# Altium PCB PCB1.PcbDoc (part 4 of 5) (continued)
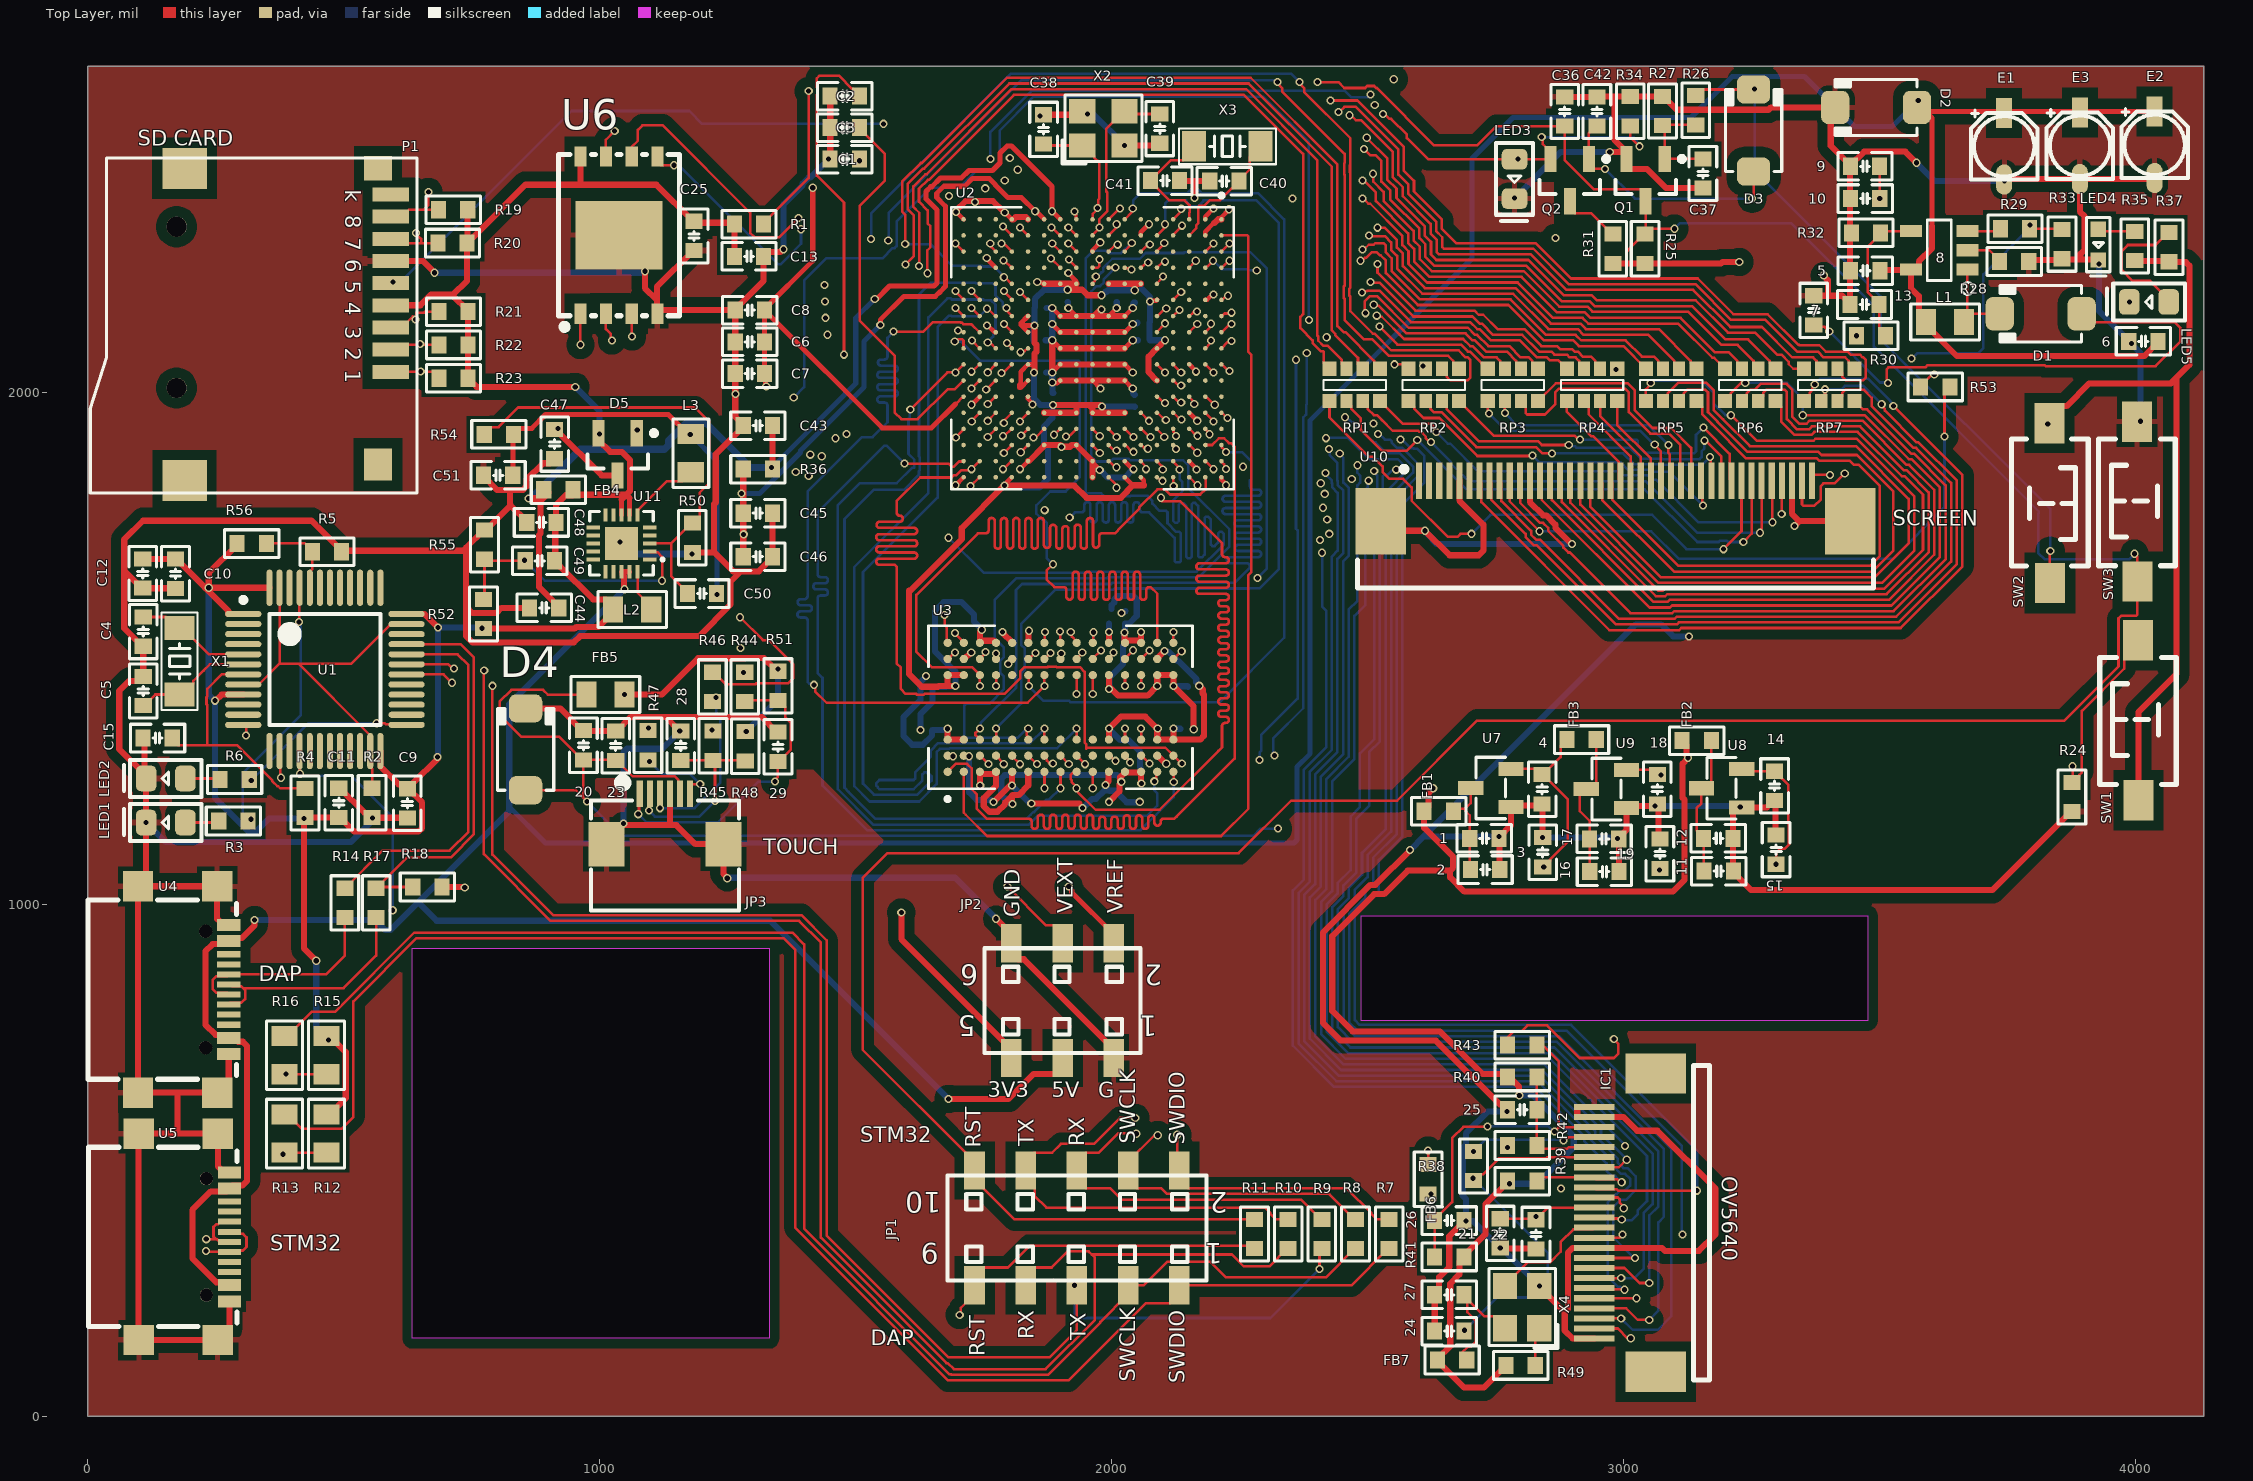
[diagram p0: Top Layer view]
## Nets (pads, with @x,y where several pads share a name; then routed paths per layer and width w, separated by ;. In a path a pad name is that pad's centre, name@x,y a point inside that pad or via, vN(x,y) a via of type N, cw(c..) or ccw(c..) an arc to the next point about the centre after c; other vN are vias at no path point) (continued)
  Bottom Layer w14: v1(1039.72,1708.31) 1063.72,1684.31 v1(1179.72,1684.31)
"IIC2_SCL / PH4": R44.1 U2.P3 | length 1389.4
  Top Layer w5: v1(1280.9,1453.1) R44.1@1281.65,1453.1 ; v1(1784.74,2291.22) 1786.84,2289.12 1791.36,2289.12 U2.P3@1805,2275.47
  Layer 1 w5: v1(1274.56,1501) 1448,1674.44 1448,1802 1453.5,1807.5 1453.5,1878.94 1425.44,1907 1405,1907 1383,1885 1383,1845 v1(1382.71,1844.71)
  Layer 3 w5: v1(1274.56,1501) 1274.56,1459.44 v1(1280.9,1453.1)
  Layer 4 w5: v1(1382.71,1844.71) 1382.71,1846.21 1372.5,1856.42 1372.5,1937.5 1420,1985 1513.44,1985 1646,2117.56 1646,2214.56 1665.25,2233.81 1671,2233.81 1684.93,2247.74 1733.09,2247.74 1734.6,2246.23 1763.23,2246.23 1772.33,2255.33 1772.33,2265.06 1783,2275.72 1783,2289.48 v1(1784.74,2291.22)
"IIC2_SDA / PH5": R45.1 U2.P4 | length 1623.7
  Top Layer w5: v1(1219,1340.54) R45.1@1221,1338.54 ; v1(1788.83,2258.22) 1789.79,2258.22 1804.04,2243.98 U2.P4@1805,2243.98
  Layer 1 w5: v1(1219,1340.54) 1219,1374 1204,1389 1204,1407.11 1464.5,1667.61 1464.5,1883.5 1444.17,1903.83 1444.17,1912.9 1439.07,1918 1400,1918 1366,1884 1366,1838.08 1377.08,1827 1396.08,1827 1406.08,1837 v1(1408,1837)
  Layer 4 w5: v1(1408,1837) 1408,1839.98 1399.21,1848.77 1399.21,1851.54 1383.5,1867.25 1383.5,1928.5 1428,1973 1517,1973 1657,2113 1657,2210 1661.74,2214.74 1733.09,2214.74 1733.83,2214 1749,2214 1749.77,2213.23 1763.09,2213.23 1772.75,2222.9 1772.75,2232.06 1774,2233.3 1774,2241.44 1788.83,2256.27 v1(1788.83,2258.22)
"IIC_SCLK / PG2": R42.2 U2.H16 | length 2522.2
  Top Layer w5: U2.H16@1993.98,1866.02 1995.02,1866.02 2007.04,1854 v1(2009.5,1854)
  Layer 2 w5: v1(2288.77,1282.09) 2360,1210.86 2360,807.92 2667.3,500.62 2748.62,500.62 v1(2773,525)
  Layer 4 w5: v1(2009.5,1854) 1993.22,1870.27 1993.22,1920.1 2012.12,1939 2040,1939 2090,1989 2090,2000 2075,2015 2075,2059 2086.43,2070.43 2086.43,2074.57 2086,2075 2086,2113 2092.49,2119.49 2096.63,2119.49 2097.38,2118.74 2158.87,2118.74 2160.37,2117.24 2186.43,2117.24 2187.17,2117.98 2226.43,2117.98 2227.17,2117.24 2249.76,2117.24 2288.61,2078.39 2345.61,2078.39 v1(2360,2064)
  Bottom Layer w5: v1(2288.77,1282.09) 2289.5,1282.82 2289.5,1297.59 2292,1300.09 2292,1331 2363.19,1402.19 2363.19,1730.82 2360,1734.01 v1(2360,2064)
"IIC_SDA / PG3": R43.2 U2.H15 | length 3162.4
  Top Layer w5: U2.H15@1993.98,1897.52 2002.43,1889.1 2007.62,1889.1 v1(2009.72,1887) ; R43.2@2773.44,738.3 2773.44,740.27 2785.7,752.53 2801.24,752.53 2812.24,763.53 2850.47,763.53 2914.07,699.93 2981,699.93 2981,700 2990,709 2990,727 2981,736 v1(2981,737)
  Layer 2 w5: v1(2318,1291) 2376,1233 2376,822.93 2461.93,737 v1(2981,737)
  Layer 4 w5: v1(2009.72,1887) 2026,1870.73 2026,1847 2017,1838 2016.83,1838 2009.33,1830.5 2002.63,1830.5 1992,1819.87 1981.13,1819.87 1962,1839 1962,1839.9 1959.98,1841.92 1959.98,1926.98 1966,1933 1986,1933 2003,1950 2035.44,1950 2074.72,1989.28 2074.72,1999.72 2064,2010.44 2064,2063.56 2075,2074.56 2075,2119 2082,2126 2082,2161.59 2091.5,2171.09 2091.5,2177.5 2095,2181 2128.11,2181 2131.18,2177.92 2156.51,2177.92 2159.43,2175 2200.83,2175 2203.18,2172.65 2299.8,2172.65 2379.95,2092.5 2379.95,2078.05 v1(2381,2077)
  Bottom Layer w5: v1(2318,1291) 2316,1293 2316,1325 2374.19,1383.19 2374.19,1951.29 2380,1957.09 2380,1976 2381,1977 v1(2381,2077)
L3.3V: 9.2 10.2 20.2 23.2 D4.2 FB5.2 JP3.5 R53.1 U10.37 | length 4710.6
  Top Layer w5: D4.2@855,1223 953,1223 968,1208 ; FB5.2@973.6,1410 898.21,1410 889.21,1419 827.03,1419 804.07,1396.04 804.07,1369.96 846.66,1327.38 921.11,1327.38 966.03,1282.46 20.2@968,1282.46 ; v1(975,1201) 968,1208 ; JP3.5@1156.73,1216.1 1153.33,1219.51 1153.33,1243.34 1146.47,1250.19 1068.57,1250.19 1068.47,1250.1 1064.33,1250.1 1032.97,1281.46 23.2@1031,1281.46 1030,1282.46 20.2@968,1282.46 ; v1(3308.88,1762.57) 3309.17,1762.87 U10.37@3309.17,1827.6 ; 9.2@3500.13,2442 3500.13,2379.46 v1(3500.58,2379) ; R53.1@3580.46,2011 3580.46,2012.97 3600.38,2032.9 3604.9,2032.9 v1(3607,2035) ; 968,1208 20.2@968,1282.46
  Layer 1 w5: v1(2325,1148) 2355,1178 2355,1234 2459,1338 2467.07,1338 2491,1361.93 2491,1669 2589.78,1767.78 3117.22,1767.78 3122,1763 3308.45,1763 v1(3308.88,1762.57) 3384.57,1762.57 3607,1985 v1(3607,2035) 3582.16,2059.84 3582.16,2071.84 3559.42,2094.58 3500.58,2094.58 v1(3500.58,2379)
  Bottom Layer w5: v1(975,1201) 1042,1134 2277,1134 2291,1148 v1(2325,1148)
"LCD_B0 / PJ12": RP5.1 U2.D11 | length 1344.9
  Top Layer w5: U2.D11@2119.96,2023.5 2121,2023.5 2128.82,2015.68 2133.6,2015.68 v1(2135.71,2013.58) ; v1(2519,2322.11) 2532.89,2322.11 2557,2298 2557,2283.29 2568.79,2271.5 2568.79,2246.88 2611.67,2204 2788.58,2204 2857.81,2134.78 2915.44,2134.78 2926.44,2123.78 3069,2123.78 3130.85,2061.92 3130.85,2057.78 RP5.1@3142.13,2046.5
  Layer 3 w5: v1(2135.71,2013.58) 2136.28,2013.58 2146.95,2024.26 2190.36,2024.26 2191.87,2022.75 2216.66,2022.75 2219.67,2025.76 2265.43,2025.76 2357.17,2117.5 2384.83,2117.5 2431.69,2164.35 2431.69,2193.15 2478.54,2240 2491.18,2240 2494.41,2243.22 2495.26,2243.22 2502.79,2250.76 2502.79,2264.85 2519.95,2282 2519.95,2321.17 v1(2519,2322.11)
"LCD_B1 / PJ13": RP5.2 U2.E10 | length 1275.9
  Top Layer w5: U2.E10@2088.46,2055 v1(2104.21,2039.25) ; v1(2502.5,2306.55) 2503.45,2305.61 2533.83,2305.61 2546,2293.44 2546,2278.74 2557.79,2266.95 2557.79,2242.32 2607.11,2193 2784.03,2193 2853.25,2123.78 2910.89,2123.78 2921.89,2112.78 3048.5,2112.78 3099.35,2061.92 3099.35,2055.81 RP5.2@3108.66,2046.5
  Layer 3 w5: v1(2104.21,2039.25) 2126.01,2061.05 2141.95,2061.05 2165.14,2084.24 2255.19,2084.24 2262.95,2092 2283.88,2092 2346.5,2154.62 2346.5,2156.95 2369.05,2179.5 2371.38,2179.5 2446,2254.12 2446,2256.89 2473.49,2284.38 2473.49,2286.4 2483.16,2296.07 2485.18,2296.07 2489.68,2300.56 2494.48,2300.56 2500.47,2306.55 v1(2502.5,2306.55)
"LCD_B2 / PJ14": RP5.3 U2.D10 | length 1198.8
  Top Layer w5: U2.D10@2119.96,2055 v1(2135.71,2039.25) ; v1(2489.99,2279.57) 2492.97,2279.57 2502.14,2288.74 2511.74,2288.74 2515,2292 2531,2292 2535,2288 2535,2274.18 2546.79,2262.39 2546.79,2237.77 2602.56,2182 2779.47,2182 2848.69,2112.78 2906.33,2112.78 2917.33,2101.78 3003.98,2101.78 3035.76,2070 3059.78,2070 3067.86,2061.92 3067.86,2055.81 RP5.3@3077.17,2046.5
  Layer 3 w5: v1(2135.71,2039.25) 2169.7,2073.24 2259.75,2073.24 2264.95,2078.44 2285.88,2078.44 2357.5,2150.07 2357.5,2152.39 2373.61,2168.5 2375.93,2168.5 2457,2249.57 2457,2251.63 2479.46,2274.09 2481.54,2274.09 2487.01,2279.57 v1(2489.99,2279.57)
"LCD_B3 / PJ15": RP5.4 U2.B10 | length 1074.5
  Top Layer w5: U2.B10@2182.95,2055 v1(2198.7,2039.25) ; v1(2486.29,2257.59) 2489.27,2257.59 2494.74,2263.07 2496.82,2263.07 2507.76,2274 2518,2274 2524,2268 2525.62,2268 2535.79,2257.83 2535.79,2233.21 2598,2171 2774.91,2171 2844.14,2101.78 2901.77,2101.78 2912.77,2090.78 2999.42,2090.78 RP5.4@3043.7,2046.5
  Layer 3 w5: v1(2198.7,2039.25) 2221.69,2062.24 2280.24,2062.24 2285.45,2067.44 2290.43,2067.44 2368.5,2145.51 2368.5,2147.83 2378.17,2157.5 2380.49,2157.5 2473.99,2251 2479.41,2251 2486,2257.59 v1(2486.29,2257.59)
"LCD_B4 / PK3": RP6.1 U2.C8 | length 1630
  Top Layer w5: U2.C8@2151.46,2117.99 v1(2167.2,2133.74) ; v1(2493,2476) 2505.05,2463.95 2515.05,2463.95 2526.96,2452.04 2526.96,2412.04 2544.56,2394.44 2544.56,2376.56 2601,2320.11 2601,2301.52 2612.79,2289.73 2612.79,2265.1 2629.89,2248 2809.67,2248 2878.89,2178.78 2933.67,2178.78 2943.44,2169 3134,2169 3199,2104 3243.31,2104 3285.39,2061.92 3285.39,2057.78 RP6.1@3296.67,2046.5
  Layer 3 w5: v1(2167.2,2133.74) 2150.38,2150.57 2150.38,2165.33 2160.04,2175 2169.55,2175 2182.2,2187.65 2182.2,2201.2 2189,2208 2237,2208 2241.5,2203.5 2287.53,2203.5 2354.56,2270.52 2354.56,2274.17 2446.5,2366.12 2446.5,2435.89 2475.2,2464.59 2478.95,2464.59 2490.36,2476 v1(2493,2476)
"LCD_B5 / PK4": RP6.2 U2.B8 | length 1519.2
  Top Layer w5: U2.B8@2182.95,2117.99 2191.9,2126.93 2191.9,2132.38 v1(2194,2134.48) ; v1(2510.46,2427.49) 2511,2426.94 2511,2411.99 2531.2,2391.8 2531.2,2374.36 2590,2315.56 2590,2296.96 2601.79,2285.17 2601.79,2260.55 2625.34,2237 2805.11,2237 2874.34,2167.78 2929.11,2167.78 2938.89,2158 3126,2158 3191,2093 3222.82,2093 3253.89,2061.92 3253.89,2055.81 RP6.2@3263.21,2046.5
  Layer 3 w5: v1(2194,2134.48) 2194.74,2133.74 2210.67,2133.74 2227.17,2117.24 2243.76,2117.24 2258,2103 2279.32,2103 2335.5,2159.18 2335.5,2161.5 2364.5,2190.5 2366.82,2190.5 2435,2258.68 2435,2263.47 2534.34,2362.81 2534.34,2403.6 v1(2510.46,2427.49)
"LCD_B6 / PK5": RP6.3 U2.A8 | length 1420.3
  Top Layer w5: U2.A8@2214.45,2117.99 2215.49,2117.99 2231.24,2133.74 v1(2234,2133.74) ; v1(2490,2414.05) 2492.79,2414.05 2516,2390.83 2516,2374 2579,2311 2579,2292.41 2590.79,2280.62 2590.79,2255.99 2620.78,2226 2800.56,2226 2869.78,2156.78 2924.56,2156.78 2935.56,2145.78 3111.22,2145.78 3178,2079 3205.32,2079 3222.4,2061.92 3222.4,2055.81 RP6.3@3231.71,2046.5
  Layer 3 w5: v1(2234,2133.74) 2294.5,2133.74 2324.5,2163.74 2324.5,2166.06 2359.94,2201.5 2362.26,2201.5 2403.56,2242.79 2403.56,2247.58 2523.34,2367.37 2523.34,2399.05 2511.4,2410.99 2503.62,2410.99 2502.67,2411.94 2492.1,2411.94 v1(2490,2414.05)
"LCD_B7 / PK6": RP6.4 U2.C7 | length 1317.1
  Top Layer w5: U2.C7@2151.46,2149.49 2152.5,2149.49 2159.41,2156.4 2164.77,2156.4 v1(2166.88,2158.5) ; v1(2489.66,2378.87) 2491.59,2378.87 2501.59,2368.88 2505.12,2368.88 2568,2306 2568,2287.85 2579.79,2276.06 2579.79,2251.43 2616.23,2215 2793.14,2215 2862.36,2145.78 2920,2145.78 2931,2134.78 3106.67,2134.78 3173.44,2068 3176.74,2068 RP6.4@3198.25,2046.5
  Layer 3 w5: v1(2166.88,2158.5) 2168.6,2158.5 2185.1,2175 2218,2175 2220.35,2172.65 2300.74,2172.65 2302.5,2174.41 2302.5,2175.17 2350.83,2223.5 2351.59,2223.5 2381.56,2253.47 2381.56,2262.99 2480.82,2362.26 2480.82,2367.06 2489.66,2375.9 v1(2489.66,2378.87)
"LCD_BL / PH6": R30.2 U2.T11 | length 3056.5
  Top Layer w5: v1(1726.26,2007.76) U2.T11@1742.01,2023.5
  Layer 3 w5: v1(1726.26,2007.76) 1519.91,2007.76 1415,2112.67 1415,2212 1436,2233 1436,2403.33 1430.5,2408.83 1430.5,2481.5 1548,2599 1940.92,2599 1964.92,2623 2449.67,2623 2455.17,2628.5 2566.5,2628.5 2956.5,2238.5 3325.5,2238.5 3453,2111 v1(3454.91,2111)
"LCD_CLK / PI14": RP7.1 U2.H3 | length 1953.5
  Top Layer w5: U2.H3@1993.98,2275.47 2005.29,2286.79 2009.58,2286.79 v1(2011.68,2288.89) ; v1(2443.19,2547.87) 2444.45,2547.87 2454.78,2558.2 2476.85,2558.2 2559.96,2475.09 2559.96,2425.71 2579.61,2406.06 2579.61,2388.17 2634,2333.78 2634,2315.19 2645.79,2303.4 2645.79,2283.93 2648.72,2281 2823.56,2281 2892.78,2211.78 3140.34,2211.78 3210.11,2142 3277,2142 3339.22,2079.78 3379.44,2079.78 3390.44,2068.78 3433.08,2068.78 3439.93,2061.92 3439.93,2057.78 RP7.1@3451.21,2046.5
  Layer 3 w5: v1(2011.68,2288.89) 2010.89,2289.68 2010.89,2304.39 1992.44,2322.84 1992.44,2333.09 1989,2336.53 1989,2389 2029,2429 2345.44,2429 2412,2495.56 2412,2516.68 v1(2443.19,2547.87)
"LCD_DE / PK7": RP7.4 U2.D7 | length 1741.3
  Top Layer w5: U2.D7@2119.96,2149.49 2120.15,2149.49 2132.08,2161.42 v1(2132.27,2161.42) ; v1(2498.2,2497.8) 2537.96,2458.04 2537.96,2416.6 2556.33,2398.22 2556.33,2380.33 2612,2324.67 2612,2306.08 2623.79,2294.28 2623.79,2269.66 2634.45,2259 2814.23,2259 2883.45,2189.78 2938.22,2189.78 2948,2180 3141,2180 3204,2117 3257,2117 3300,2074 3308.75,2074 3322.74,2060.01 3322.74,2055.26 3331.51,2046.5 RP7.4@3352.79,2046.5
  Layer 3 w5: v1(2132.27,2161.42) 2132.27,2161.74 2119.21,2174.8 2119.21,2203.57 2128.87,2213.23 2141.51,2213.23 2151,2222.72 2151,2225 2151.18,2225.18 2151.18,2233.11 2159.15,2241.08 2191.19,2241.08 2191.27,2241 2250,2241 2275.84,2215.16 2283.64,2215.16 2343.56,2275.08 2343.56,2278.73 2435.5,2370.67 2435.5,2440.5 2474,2479 2474,2480.33 2486.17,2492.5 2489.91,2492.5 2495.22,2497.8 v1(2498.2,2497.8)
"LCD_G0 / PJ7": RP3.1 U2.N14 | length 2215.9
  Top Layer w5: v1(1823.13,1916.28) 1823.44,1916.28 1836.18,1929.02 U2.N14@1836.5,1929.02 ; v1(2495.87,2155.05) 2494,2156.93 2494,2177.67 2504.55,2188.22 2518.55,2188.22 2580.16,2126.62 2695.71,2126.62 2709.56,2112.78 2714.03,2112.78 2736.03,2090.78 2776.97,2090.78 2798.97,2068.78 2814.91,2068.78 2821.76,2061.92 2821.76,2057.78 RP3.1@2833.04,2046.5
  Layer 3 w5: v1(1823.13,1916.28) 1851.87,1945.02 1919.54,1945.02 1926.28,1938.28 1937.98,1926.57 1937.98,1882.98 1924,1869 1924,1866.63 1809.37,1752 1733.93,1752 1730.74,1748.81 1730.74,1695.63 1718.56,1683.44 1718.56,1632.93 1722.77,1628.72 2053.23,1628.72 2056.15,1625.8 2265.54,1625.8 2269.93,1621.41 2308.85,1621.41 2335.11,1647.67 2335.11,1955.44 2490.07,2110.41 2490.07,2138.63 2493.77,2142.32 2493.77,2152.95 v1(2495.87,2155.05)
"LCD_G1 / PJ8": RP3.2 U2.N13 | length 2231.8
  Top Layer w5: v1(1820.75,1943.26) 1820.75,1944.01 1836.5,1959.76 U2.N13@1836.5,1960.51 ; v1(2511.89,2171.55) 2514,2169.44 2521.78,2169.44 2575.6,2115.62 2691.16,2115.62 2705,2101.78 2709.47,2101.78 2731.47,2079.78 2772.42,2079.78 2790.27,2061.92 2790.27,2055.81 RP3.2@2799.58,2046.5
  Layer 3 w5: v1(1820.75,1943.26) 1806.63,1929.14 1806.63,1909.44 1816.29,1899.78 1830.22,1899.78 1830.22,1898.64 1838.75,1890.11 1838.75,1838.75 1836,1836 1836,1825.3 1800.48,1789.78 1703,1789.78 1679,1765.78 1679,1741.94 1697.74,1723.2 1697.74,1709.53 1680.21,1692 1678.67,1692 1678.67,1618.33 1701.28,1595.72 2039.56,1595.72 2040.48,1594.8 2054.28,1581 2208.23,1581 2329,1581 2368.11,1620.11 2368.11,1941.11 2539.5,2112.5 2539.5,2168.5 2535.23,2172.77 2531.69,2172.77 2528.72,2175.75 2526.62,2173.65 2514,2173.65 v1(2511.89,2171.55)
"LCD_G2 / PJ9": RP3.3 U2.M14 | length 2105.7
  Top Layer w5: v1(1847.3,1912.45) 1849.4,1914.55 1853.53,1914.55 U2.M14@1867.99,1929.02 ; v1(2517.72,2150.16) 2519.83,2148.06 2527.61,2148.06 2571.04,2104.62 2686.6,2104.62 2700.44,2090.78 2704.92,2090.78 2726.92,2068.78 2751.92,2068.78 2758.77,2061.92 2758.77,2055.81 RP3.3@2768.08,2046.5
  Layer 3 w5: v1(1847.3,1912.45) 1868.87,1934.02 1914.98,1934.02 1926.98,1922.02 1926.98,1895.48 1898.38,1866.88 1898.38,1856.56 1805.81,1764 1717,1764 1711,1758 1711,1741.41 1719.74,1732.67 1719.74,1700.19 1706,1686.44 1706,1622.11 1710.39,1617.72 2048.67,1617.72 2055.99,1610.41 2313.41,1610.41 2346.11,1643.11 2346.11,1950.89 2501.07,2105.85 2501.07,2134.07 2517.16,2150.16 v1(2517.72,2150.16)
"LCD_G3 / PJ10": RP3.4 U2.L14 | length 1963.6
  Top Layer w5: v1(1887.46,1917.52) 1887.73,1917.52 1899.22,1929.02 U2.L14@1899.49,1929.02 ; v1(2523,2128.8) 2523.2,2128.8 2558.38,2093.62 2682.04,2093.62 2695.89,2079.78 2700.36,2079.78 2722.36,2057.78 2723.34,2057.78 RP3.4@2734.62,2046.5
  Layer 3 w5: v1(1887.46,1917.52) 1885.56,1915.62 1885.56,1859.99 1847,1821.43 1847,1820.74 1805.04,1778.78 1707.56,1778.78 1694.39,1765.61 1694.39,1742.47 1708.74,1728.11 1708.74,1704.74 1695,1691 1695,1617.56 1705.84,1606.72 2044.12,1606.72 2056.03,1594.8 2319.8,1594.8 2357.11,1632.11 2357.11,1946.33 2523,2112.22 v1(2523,2128.8)
"LCD_G4 / PJ11": RP4.1 U2.K14 | length 2165.3
  Top Layer w5: 1918.3,1916.33 U2.K14@1930.98,1929.02
  Layer 4 w5: v1(1910.48,1914.23) 1952.47,1956.22 1952.47,2369.47 1968.5,2385.5 2074,2385.5 2085,2396.5 2209.5,2396.5 2214,2392 2234,2392 2468.33,2157.67 2468.33,2137.98 2514,2092.31 2514,2026 2539.01,2000.99 2539.01,1927.86 2539,1922.39 2536.5,1919.89 2536.5,1897.11 2538.8,1894.8 2523.85,1879.85 2523.85,1859.27 2534.01,1849.12 2534.01,1841.66 2544.17,1831.5 2563.5,1831.5 2572.42,1840.42 2572.42,1878.42 2583,1889 2583,1897.67 2580.5,1900.17 2580.5,1913.83 2583,1916.33 2583,2061 2594,2072 2958,2072 v1(2985,2045)
"LCD_G5 / PK0": RP4.2 U2.J14 | length 1946.7
  Top Layer w5: U2.J14@1962.48,1929.02 1962.48,1928.92 1976.53,1914.87 v1(1976.53,1914.77) ; v1(2519.29,2251) 2519.29,2234.15 2593.44,2160 2709,2160 2717,2152 2725.89,2152 2754.11,2123.78 2806.58,2123.78 2839.58,2090.78 2870.11,2090.78 2875.89,2085 2899,2085 2904.22,2079.78 2911.02,2079.78 2921.01,2069.78 2936.95,2069.78 2944.81,2061.92 2944.81,2055.81 RP4.2@2954.12,2046.5
  Layer 3 w5: v1(1976.53,1914.77) 1991.52,1929.77 2016.56,1929.77 2026.22,1920.1 2026.22,1901.22 2024.6,1899.6 2024.6,1895.46 2026.22,1893.83 2026.22,1877.36 2035.89,1867.69 2068.69,1867.69 2069,1868 2104.61,1868 2116.2,1856.41 2116.2,1842.74 2125.15,1833.79 2127.88,1833.79 2137.55,1824.13 2137.55,1810.46 2064.35,1737.27 2030.27,1737.27 2022,1729 2022,1708 2067,1663 2247,1663 2271,1687 2280,1687 2290,1697 2290.07,1697 2296,1702.93 2296,1963 2399.28,2066.28 2399.28,2114.28 2461,2176 2461,2206.9 2483.1,2229 2495.74,2229 2498.96,2232.22 2499.82,2232.22 2500.59,2233 2509,2233 2512,2236 2512,2244.41 2513.79,2246.2 2513.79,2248.07 2516.72,2251 v1(2519.29,2251)
"LCD_G6 / PK1": RP4.3 U2.J15 | length 1698.8
  Top Layer w5: U2.J15@1962.48,1897.52 1962.48,1896.67 1976.53,1882.62 v1(1976.53,1881.77) ; v1(2505.8,2215.72) 2507.43,2214.09 2523.8,2214.09 2589.27,2148.62 2704.83,2148.62 2718.67,2134.78 2723.14,2134.78 2745.14,2112.78 2802.02,2112.78 2835.02,2079.78 2859.23,2079.78 2865.01,2074 2889.22,2074 2894.44,2068.78 2906.46,2068.78 2913.32,2061.92 2913.32,2055.81 RP4.3@2922.63,2046.5
  Layer 3 w5: v1(1976.53,1881.77) 1976.53,1881.31 1993,1864.84 1993,1847.17 2008.9,1831.26 2015.54,1831.26 2025.97,1820.83 2025.97,1773.57 1998.47,1746.07 1998.47,1698.81 2046.28,1651 2254,1651 2276,1673 2296,1673 2307,1684 2307,1958.44 2468.07,2119.52 2468.07,2167.52 2472,2171.44 2472,2202.34 2481.91,2212.25 2487.43,2212.25 2489.93,2214.75 2504.83,2214.75 v1(2505.8,2215.72)
"LCD_G7 / PK2": RP4.4 U2.H17 | length 1596.6
  Top Layer w5: U2.H17@1993.98,1834.53 2007.36,1821.14 2007.36,1816.1 v1(2009.47,1814) ; v1(2488.75,2195.75) 2490.85,2197.86 2498.63,2197.86 2499.99,2199.22 2523.11,2199.22 2584.71,2137.62 2700.27,2137.62 2714.11,2123.78 2718.58,2123.78 2740.58,2101.78 2797.47,2101.78 2830.47,2068.78 2850.34,2068.78 2856.12,2063 2872.66,2063 RP4.4@2889.16,2046.5
  Layer 3 w5: v1(2009.47,1814) 1987.47,1792 1987.47,1682.53 2030.28,1639.72 2258.72,1639.72 2273,1654 2277.59,1654 2285.59,1662 2321.18,1662 2324.11,1664.93 2324.11,1699.41 2324,1699.52 2324,1959.89 2479.07,2114.96 2479.07,2162.96 2483,2166.89 2483,2167.02 2486.5,2170.52 2486.5,2177.75 2488.75,2180 v1(2488.75,2195.75)
"LCD_HS / PI12": RP7.2 U2.H1 | length 2071.4
  Top Layer w5: U2.H1@1993.98,2338.46 2015.01,2359.5 v1(2016.5,2359.5) ; v1(2427.36,2570.54) 2480.07,2570.54 2570.96,2479.65 2570.96,2433.04 2590.61,2413.39 2590.61,2392.73 2645,2338.34 2645,2319.74 2672.74,2292 2828.11,2292 2897.34,2222.78 3144.89,2222.78 3214.67,2153 3281.56,2153 3341.56,2093 3343,2093 3343.53,2092.47 3382.3,2092.47 3395,2079.78 3437.64,2079.78 3443.41,2074 3461.78,2074 3467,2068.78 3468.51,2068.78 3473.49,2063.8 3473.49,2045.79 3473.49,2034.79 3473.49,2029.2 3468.51,2024.22 3433.91,2024.22 3427.06,2031.07 3427.06,2037.19 RP7.2@3417.75,2046.5
  Layer 3 w5: v1(2016.5,2359.5) 2016.5,2377.5 2045,2406 2353.56,2406 2441,2493.44 2441,2495.06 2485.57,2539.62 2485.57,2543.77 2458.8,2570.54 v1(2427.36,2570.54)
"LCD_R0 / PI15": RP1.1 U2.P5 | length 1806.3
  Top Layer w5: v1(1596.5,2290) 1596.5,2347.68 1590.5,2353.68 1590.5,2411.89 1627.11,2448.5 1629.11,2448.5 1795.61,2615 2271.67,2615 2441,2445.67 2441,2129.93 2452.93,2118 2456.6,2118 2512.68,2061.92 2512.68,2057.78 RP1.1@2523.96,2046.5 ; v1(1789.25,2225.22) 1791.22,2225.22 1803.96,2212.48 U2.P5@1805,2212.48
  Bottom Layer w5: v1(1596.5,2290) 1645.67,2290 1687.93,2247.74 1747.49,2247.74 1749,2246.23 1769.74,2246.23 1789.25,2226.72 v1(1789.25,2225.22)
"LCD_R1 / PJ0": RP1.2 U2.N6 | length 1861.5
  Top Layer w5: v1(1597,2250) 1613,2266 1613,2346.74 1601.5,2358.24 1601.5,2407.33 1631.67,2437.5 1633.67,2437.5 1799.91,2603.74 2267.37,2603.74 2430,2441.11 2430,2121.33 2436.5,2114.83 2436.5,2112.5 2481.18,2067.81 2481.18,2054.81 2491,2045 2491,2045.99 RP1.2@2490.5,2046.5 ; v1(1820.75,2196.73) U2.N6@1836.5,2180.98
  Layer 2 w5: v1(1597,2250) 1610.99,2263.99 1645.37,2263.99 1661.62,2247.74 1742.79,2247.74 1744.29,2246.23 1763.09,2246.23 1766.09,2243.22 1779.41,2243.22 1780.91,2241.72 1797.59,2241.72 1805.75,2233.56 1805.75,2211.73 v1(1820.75,2196.73)
"LCD_R2 / PJ1": RP1.3 U2.P6 | length 1747.7
  Top Layer w5: v1(1623.44,2247.49) 1624,2248.04 1624,2351.3 1612.5,2362.8 1612.5,2402.78 1636.22,2426.5 1638.22,2426.5 1804.47,2592.74 2262.81,2592.74 2401.95,2453.61 2401.95,2111.05 2403.5,2109.5 2403.5,2101.17 2413.17,2091.5 2421.5,2091.5 2449.69,2063.31 2449.69,2055.81 RP1.3@2459,2046.5 ; v1(1789.5,2198.5) 1789.5,2197.49 1805,2181.99 U2.P6@1805,2180.98
  Layer 1 w5: v1(1623.44,2247.49) 1625.46,2249.5 1686.17,2249.5 1687.93,2247.74 1747.49,2247.74 1749,2246.23 1765.77,2246.23 1772.77,2239.23 ; 1772.75,2239.2 1772.75,2215.25 v1(1789.5,2198.5)
"LCD_R3 / PJ2": RP1.4 U2.T6 | length 1623.9
  Top Layer w5: v1(1640,2233) 1640,2277.98 1645.5,2283.48 1645.5,2325.49 1640.5,2330.49 1640.5,2355.85 1623.5,2372.85 1623.5,2398.22 1640.78,2415.5 1642.78,2415.5 1809.02,2581.74 2258.26,2581.74 2374,2466 2374,2153.33 2368.5,2147.83 2368.5,2125.68 2392.5,2101.68 2392.5,2096.61 2408.61,2080.5 2413.68,2080.5 2414.26,2079.93 2414.26,2057.78 RP1.4@2425.54,2046.5 ; v1(1726.26,2198.24) 1726.26,2197.48 1742.01,2181.74 U2.T6@1742.01,2180.98
  Layer 1 w5: v1(1640,2233) 1669.67,2233 1687.93,2214.74 1709.76,2214.74 v1(1726.26,2198.24)
"LCD_R4 / PJ3": RP2.1 U2.U6 | length 1926.4
  Top Layer w5: v1(1694.76,2198.24) 1694.76,2197.48 1710.51,2181.74 U2.U6@1710.51,2180.98 ; v1(2324,2606.5) 2324,2603.52 2333.46,2594.06 2333.46,2587.54 2455,2466 2455,2448.89 2454.5,2448.39 2454.5,2425.61 2455,2425.11 2455,2208.89 2453.5,2207.39 2453.5,2184.61 2455,2183.11 2455,2142 2493,2104 2509.11,2104 2541.49,2071.62 2657.53,2071.62 2667.22,2061.92 2667.22,2057.78 RP2.1@2678.5,2046.5
  Layer 2 w5: v1(1563.5,2297) 1564,2296.5 1564,2259.67 1625.43,2198.24 v1(1694.76,2198.24)
  Bottom Layer w5: v1(1563.5,2297) 1564,2297.5 1564,2351 1823,2610 2317.52,2610 2321.02,2606.5 v1(2324,2606.5)
"LCD_R5 / PJ4": RP2.2 U2.U7 | length 2132.4
  Top Layer w5: v1(1694.76,2165.24) U2.U7@1710.51,2149.49 ; v1(2367,2606.5) 2367,2603.52 2375.96,2594.56 2375.96,2587.04 2466,2497 2466,2444.33 2465.5,2443.83 2465.5,2430.17 2466,2429.67 2466,2204.33 2464.5,2202.83 2464.5,2189.17 2466,2187.67 2466,2159 2510,2115 2513.67,2115 2546.05,2082.62 2677.49,2082.62 2691.33,2068.78 2695.8,2068.78 2700.78,2063.8 2700.78,2029.2 2695.8,2024.22 2695.22,2024.22 2695,2024 2661.42,2024 2654.35,2031.07 2654.35,2037.19 RP2.2@2645.04,2046.5
  Layer 2 w5: v1(1530,2300) 1530,2278.11 1642.87,2165.24 v1(1694.76,2165.24)
  Bottom Layer w5: v1(1530,2300) 1530,2350 1803,2623 2350.5,2623 v1(2367,2606.5)
"LCD_R6 / PJ5": RP2.3 U2.R12 | length 1854.7
  Top Layer w5: v1(1757.76,1977.76) 1758.51,1977.76 1772.75,1992.01 U2.R12@1773.5,1992.01 ; v1(2607.86,2052.18) RP2.3@2613.54,2046.5
  Layer 3 w5: v1(1757.76,1977.76) 1739.75,1959.76 1684.76,1959.76 1653.74,1928.74 1653.74,1607.26 1666.2,1594.8 1709,1552 2208.23,1552 2342,1552 2390.11,1600.11 2390.11,1844.32 2399.52,1853.72 2399.52,1862.46 2398.79,1863.19 2398.79,1876.86 2399.52,1877.58 2399.52,1878.43 2402,1880.91 2402,1943.89 2496.73,2038.62 2559.33,2038.62 2572.9,2052.18 v1(2607.86,2052.18)
"LCD_R7 / PJ6": RP2.4 U2.N15 | length 1792.9
  Top Layer w5: v1(1822.25,1883.28) U2.N15@1836.5,1897.52 ; v1(2552.5,2055.12) 2571.46,2055.12 RP2.4@2580.08,2046.5
  Layer 3 w5: v1(1822.25,1883.28) 1804.25,1865.27 1804.25,1827.88 1806.8,1825.33 1806.8,1811.66 1795.92,1800.78 1690.22,1800.78 1690.07,1800.93 1689,1800.93 1667.07,1779 1667.07,1745.43 1664.74,1743.1 1664.74,1615.26 1710,1570 1998.23,1570 2013.95,1585.72 2035.42,1585.72 2044.5,1576.64 2044.5,1572.93 2047.43,1570 2208.23,1570 2344,1570 2379.11,1605.11 2379.11,1873.58 2391,1885.47 2391,1948.44 2520.56,2078 2542.58,2078 2550.4,2070.18 2550.4,2057.22 v1(2552.5,2055.12)
"LCD_VS / PI13": RP7.3 U2.H2 | length 1818.1
  Top Layer w5: U2.H2@1993.98,2306.97 2007.62,2320.61 2007.62,2326.79 v1(2009.72,2328.89) ; v1(2464.3,2541.7) 2467.28,2541.7 2476.74,2532.24 2487.25,2532.24 2548.96,2470.53 2548.96,2421.16 2568.61,2401.5 2568.61,2383.61 2623,2329.23 2623,2310.63 2634.79,2298.84 2634.79,2274.22 2639.01,2270 2819,2270 2888.22,2200.78 3135.78,2200.78 3208.56,2128 3270.3,2128 3329.53,2068.78 3370.09,2068.78 3376.94,2061.92 3376.94,2055.81 RP7.3@3386.25,2046.5
  Layer 3 w5: v1(2009.72,2328.89) 2009.72,2331.36 2000,2341.09 2000,2384 2033,2417 2349,2417 2423,2491 2423,2500.39 v1(2464.3,2541.7)
"LED / PC13": LED5.2 U2.E3 | length 2145.4
  Top Layer w5: U2.E3@2088.46,2275.47 2088.46,2276.52 2102.55,2290.6 v1(2102.55,2292.32)
  Layer 2 w5: v1(2353,2379) 2418.05,2379 2434.42,2395.37 2632.63,2395.37 2715,2313 2863,2313 2868.43,2307.57 2868.43,2303.43 v1(2867,2302)
  Layer 3 w5: v1(2102.55,2292.32) 2104.66,2294.43 2104.66,2306 2120.71,2322.06 2120.71,2340.71 2123,2343 2128.37,2343 2128.87,2342.5 2217.5,2342.5 2220,2340 2314,2340 v1(2353,2379) ; v1(2867,2302) 2944,2225 3309,2225 3368.54,2165.46 3378.87,2165.46 3418.5,2125.83 3418.5,2124.08 3448.08,2094.5 3489.5,2094.5 3512,2117 3939,2117 3991.52,2169.52 3991.52,2170.69 3988.18,2174.03 v1(3988.18,2177)
LED+: 7.2 D1.2 U10.39 | length 1440.2
  Top Layer w5: U10.39@3348.54,1827.6 3348.54,1781.39 3351.47,1778.46 3372.45,1778.46 3385.32,1791.33 3385.32,1817.34 3390.48,1822.5 3412.5,1822.5 v1(3432,1842) ; 7.2@3371.58,2132 3375.47,2128.11 3392.89,2128.11 v1(3402,2119) ; v1@3514,2019 3514,2045.44 3517.56,2049 3589.67,2049 3594.17,2053.5 3822.67,2053.5 3824.67,2051.5 4039.5,2051.5 4088,2100 4088,2126 4076.25,2137.75 3911.25,2137.75 D1.2@3895,2154
  Layer 3 w5: v1(3432,1842) 3495,1905 3495,1929 3485,1939 3485,1987 v1(3516.86,2018.86)
  Bottom Layer w5: v1(3402,2119) 3501.36,2019.64 3516.07,2019.64 v1(3516.86,2018.86)